# KiCad board mkssbase.kicad_pcb
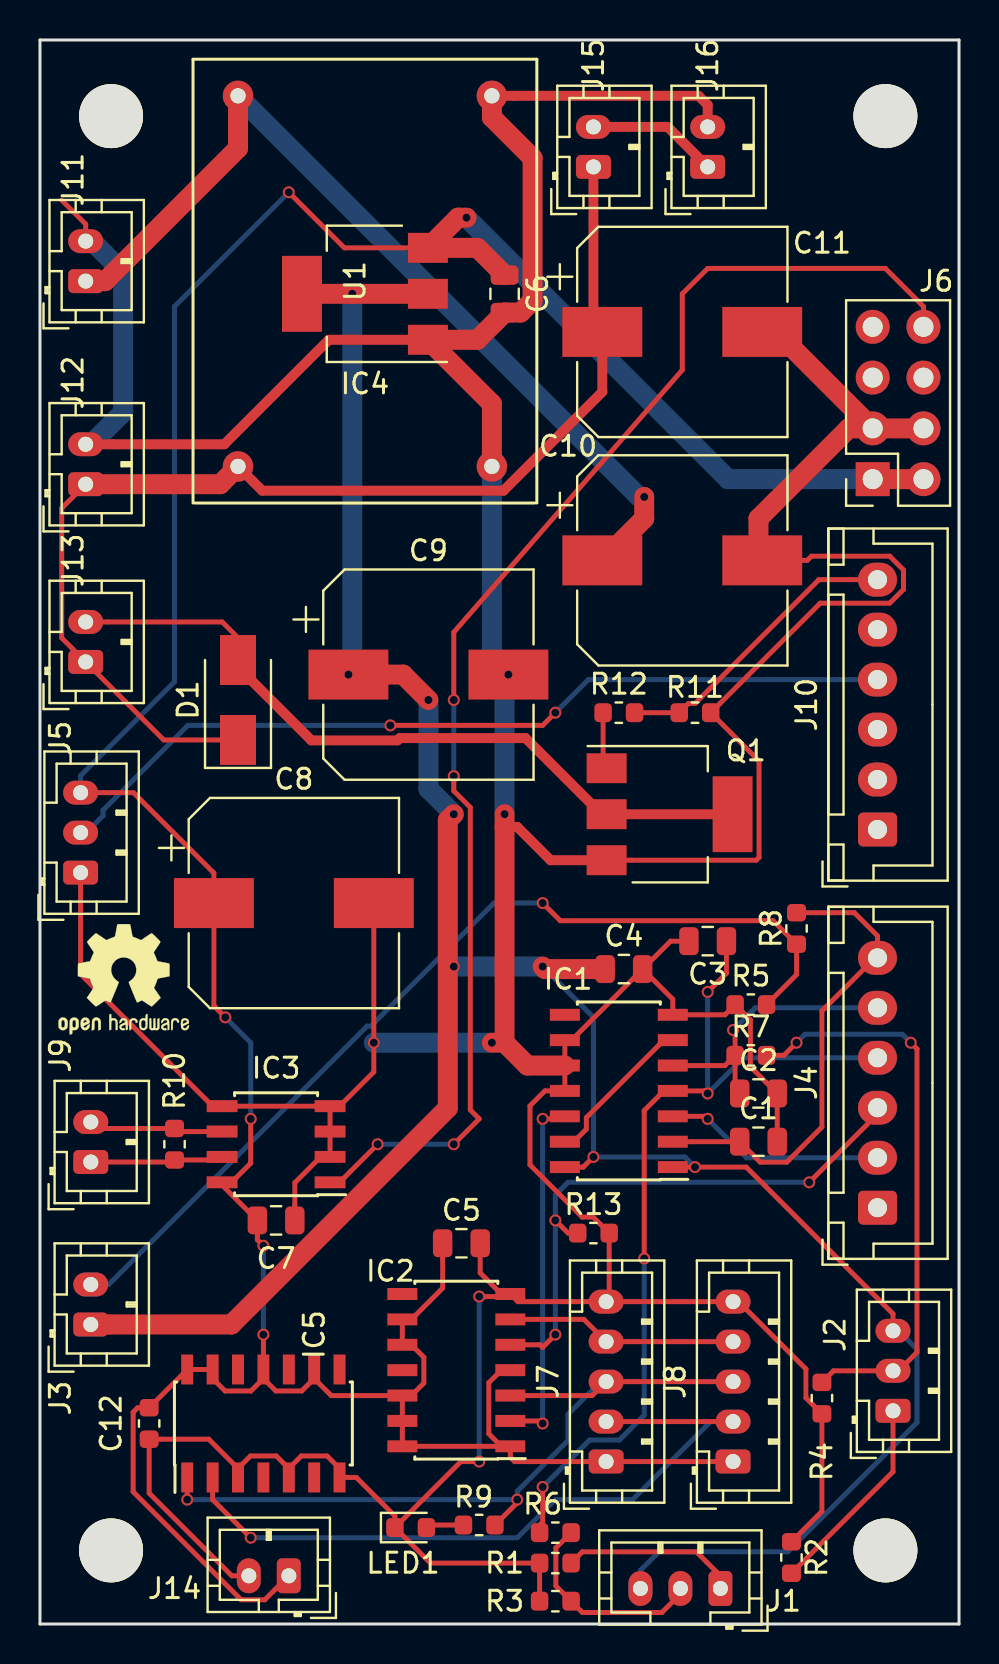
[diagram p0: board, top side]
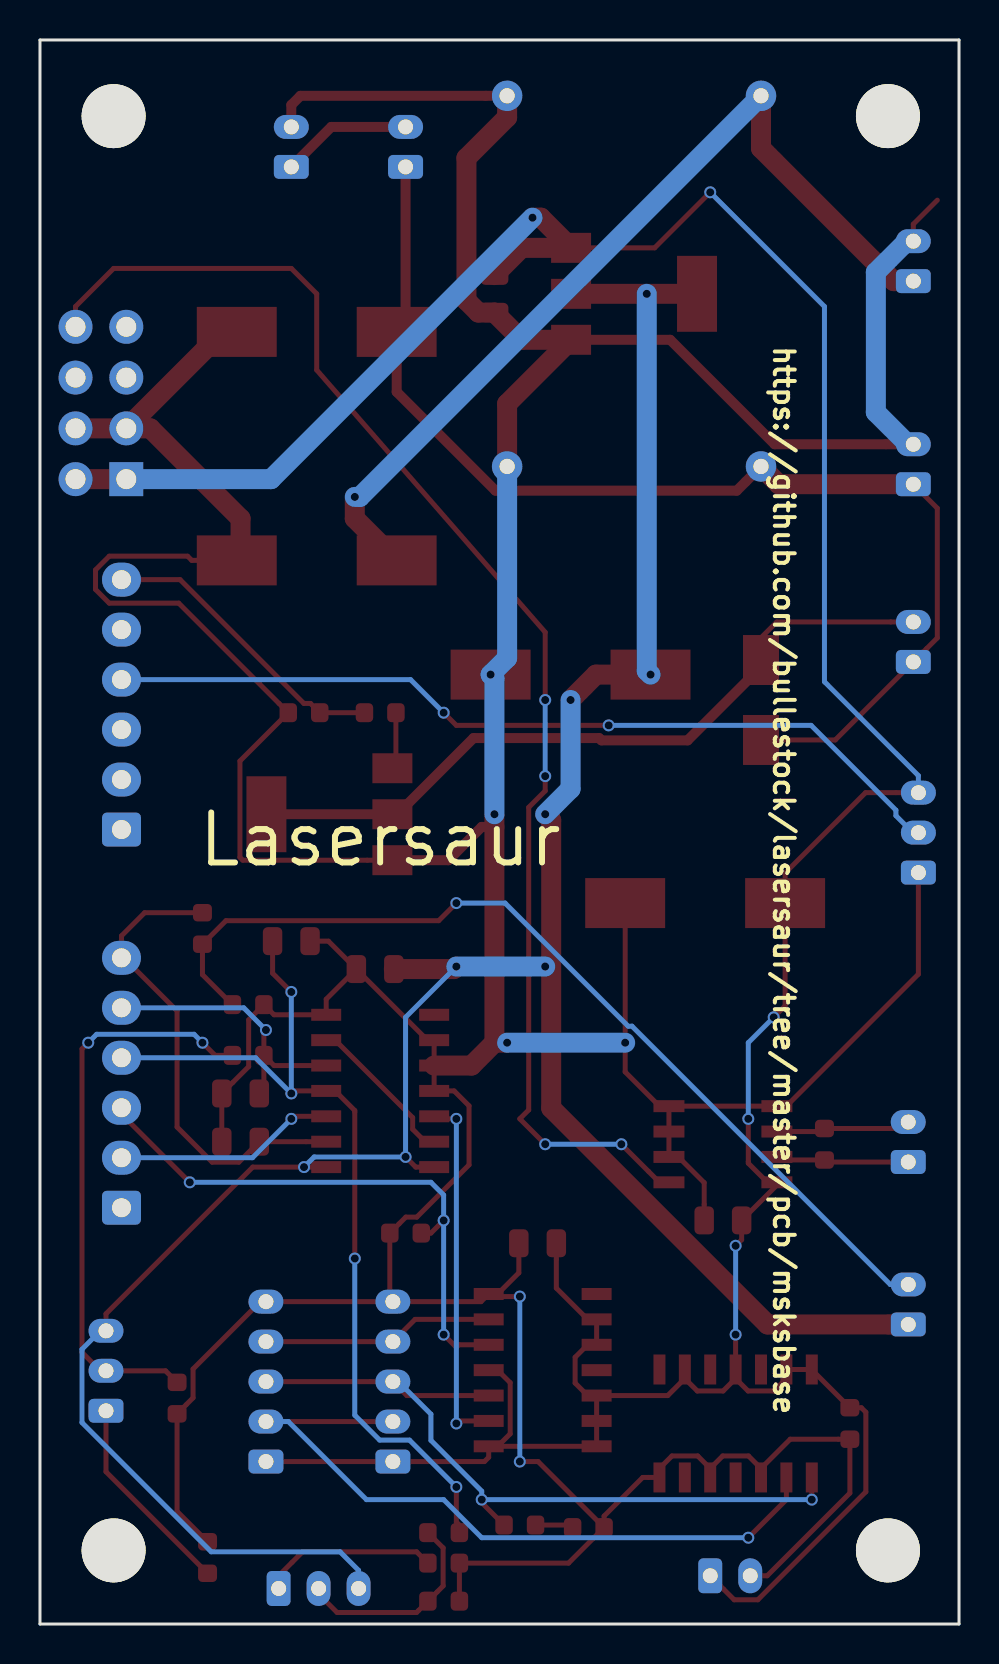
[diagram p1: board, bottom side, seen from below]

Outline 45.97 x 79.25 mm; copper layers: Top, Bottom. Coordinates in mm from the lower left corner of the outline.
Outline path: 0,79.25 0,0 45.97,0 45.97,79.25 0,79.25

## Placement (name value [footprint] x y rotation side)
C1  100n  [C_0805_2012Metric]  35.94 24.13 0 top
C2  100n  [C_0805_2012Metric]  35.94 26.54 0 top
C3  100n  [C_0805_2012Metric]  33.4 34.16 180 top
C4  100n  [C_0805_2012Metric]  29.21 32.77 0 top
C5  100n  [C_0805_2012Metric]  21.08 19.05 0 top
C6  100n  [C_0805_2012Metric]  23.24 66.55 270 top
C7  100n  [C_0805_2012Metric]  11.81 20.19 0 top
C8  100u  [CP_Elec_10x10]  12.7 36.07 0 top
C9  100u  [CP_Elec_10x10]  19.43 47.5 0 top
C10  100u  [CP_Elec_10x10]  32.13 53.21 0 top
C11  100u  [CP_Elec_10x10]  32.13 64.64 0 top
C12  100n  [C_0603_1608Metric]  5.46 10.03 270 top
D1  SS34  [D_SMA]  9.91 46.23 90 top
IC1  74LV11  [SOIC-14_3.9x8.7mm_P1.27mm]  28.96 26.67 180 top
IC2  74HCT08  [SOIC-14_3.9x8.7mm_P1.27mm]  20.83 12.7 180 top
IC3  MAX485E  [SOIC-8_3.9x4.9mm_P1.27mm]  11.81 24 180 top
IC4  AMS1117-3.3  [SOT-223-3_TabPin2]  16.26 66.55 180 top
IC5  74HCT04  [SOIC-14_3.9x8.7mm_P1.27mm]  11.18 10.03 90 top
J1  DOOR1  [JST_PH_B3B-PH-K_1x03_P2.00mm_Vertical]  34.04 1.78 180 top
J2  DOOR2  [JST_PH_B3B-PH-K_1x03_P2.00mm_Vertical]  42.67 10.67 90 top
J3  CHILLER  [JST_PH_B2B-PH-K_1x02_P2.00mm_Vertical]  2.54 14.99 90 top
J4  TO_J8  [JST_XH_B06B-XH-A_1x06_P2.50mm_Vertical]  41.9 20.83 90 top
J5  POWEROFF  [JST_PH_B3B-PH-K_1x03_P2.00mm_Vertical]  2.03 37.59 90 top
J6  Conn_02x04_Odd_Even  [PinSocket_2x04_P2.54mm_Vertical]  41.66 57.28 180 top
J7  LASER_AUX  [JST_PH_B5B-PH-K_1x05_P2.00mm_Vertical]  28.32 8.13 90 top
J8  LASER  [JST_PH_B5B-PH-K_1x05_P2.00mm_Vertical]  34.67 8.13 90 top
J9  CHILLER SERIAL  [JST_PH_B2B-PH-K_1x02_P2.00mm_Vertical]  2.54 23.11 90 top
J10  TO_J7  [JST_XH_B06B-XH-A_1x06_P2.50mm_Vertical]  41.9 39.75 90 top
J11  24V PWR  [JST_PH_B2B-PH-K_1x02_P2.00mm_Vertical]  2.29 67.18 90 top
J12  LED LIGHTING  [JST_PH_B2B-PH-K_1x02_P2.00mm_Vertical]  2.29 57.02 90 top
J13  AIR VALVE  [JST_PH_B2B-PH-K_1x02_P2.00mm_Vertical]  2.29 48.13 90 top
J14  AIMING LASER  [JST_PH_B2B-PH-K_1x02_P2.00mm_Vertical]  12.45 2.41 180 top
J15  CHILLER POWER  [JST_PH_B2B-PH-K_1x02_P2.00mm_Vertical]  27.69 72.9 90 top
J16  CHILLER SSR  [JST_PH_B2B-PH-K_1x02_P2.00mm_Vertical]  33.4 72.9 90 top
LED1  Enable  [LED_0603_1608Metric]  18.54 4.83 0 top
Q1  ZXMN4A06  [SOT-223-3_TabPin2]  31.5 40.51 0 top
R1  100  [R_0603_1608Metric]  25.78 3.05 180 top
R2  100  [R_0603_1608Metric]  37.59 3.33 90 top
R3  1K  [R_0603_1608Metric]  25.78 1.14 180 top
R4  1K  [R_0603_1608Metric]  39.12 11.3 270 top
R5  1K  [R_0603_1608Metric]  35.56 30.99 0 top
R6  5K6  [R_0603_1608Metric]  25.78 4.57 0 top
R7  5K6  [R_0603_1608Metric]  35.56 28.45 0 top
R8  5K6  [R_0603_1608Metric]  37.85 34.8 270 top
R9  1K  [R_0603_1608Metric]  21.97 4.95 180 top
R10  120R  [R_0603_1608Metric]  6.73 24 90 top
R11  10K  [R_0603_1608Metric]  32.77 45.59 0 top
R12  22R  [R_0603_1608Metric]  28.96 45.59 0 top
R13  10K  [R_0603_1608Metric]  27.69 19.56 0 top
REF**  -  [MountingHole_3.2mm_M3]  42.29 3.68 0 top
REF**#2  -  [MountingHole_3.2mm_M3]  3.56 3.68 0 top
REF**#3  -  [MountingHole_3.2mm_M3]  3.56 75.44 0 top
REF**#4  -  [MountingHole_3.2mm_M3]  42.29 75.44 0 top
REF**#5  -  [OSHW-Logo2_7.3x6mm_SilkScreen]  4.19 32.26 0 top
U1  MP1584 module  [MP1584-module]  16.26 67.18 270 top

## Footprints (pads in the part's own frame, mm; a bottom-side part is the same pattern mirrored in y, then rotated)
C_0603_1608Metric
  rrect 0.875x0.95 smd: 1(-0.787,0) 2(0.787,0)
C_0805_2012Metric
  rrect 0.975x1.4 smd: 1(-0.938,0) 2(0.938,0)
CP_Elec_10x10
  rect 4x2.5 smd: 1(-4,0) 2(4,0)
D_SMA
  rect 2.5x1.8 smd: 1(-2,0) 2(2,0)
JST_PH_B2B-PH-K_1x02_P2.00mm_Vertical
  rrect 1.2x1.75 hole 0.75: 1(0,0)
  oval 1.2x1.75 hole 0.75: 2(2,0)
JST_PH_B3B-PH-K_1x03_P2.00mm_Vertical
  rrect 1.2x1.75 hole 0.75: 1(0,0)
  oval 1.2x1.75 hole 0.75: 2(2,0) 3(4,0)
JST_PH_B5B-PH-K_1x05_P2.00mm_Vertical
  rrect 1.2x1.75 hole 0.75: 1(0,0)
  oval 1.2x1.75 hole 0.75: 2(2,0) 3(4,0) 4(6,0) 5(8,0)
JST_XH_B06B-XH-A_1x06_P2.50mm_Vertical
  rrect 1.7x1.95 hole 0.95: 1(0,0)
  oval 1.7x1.95 hole 0.95: 2(2.5,0) 3(5,0) 4(7.5,0) 5(10,0) 6(12.5,0)
LED_0603_1608Metric
  rrect 0.875x0.95 smd: 1(-0.787,0) 2(0.787,0)
MountingHole_3.2mm_M3
  round 3.2 hole 3.2 unplated: (0,0)
MP1584-module
  round 1.524 hole 0.762: IN+(-9.271,-6.35) IN-(-9.271,6.35) OUT+(9.271,-6.35) OUT-(9.271,6.35)
PinSocket_2x04_P2.54mm_Vertical
  rect 1.7x1.7 hole 1: 1(0,0)
  oval 1.7x1.7 hole 1: 2(-2.54,0) 3(0,-2.54) 4(-2.54,-2.54) 5(0,-5.08) 6(-2.54,-5.08) 7(0,-7.62) 8(-2.54,-7.62)
R_0603_1608Metric
  rrect 0.875x0.95 smd: 1(-0.787,0) 2(0.787,0)
SOIC-8_3.9x4.9mm_P1.27mm
  rect 1.55x0.6 smd: 1(-2.7,1.905) 2(-2.7,0.635) 3(-2.7,-0.635) 4(-2.7,-1.905) 5(2.7,-1.905) 6(2.7,-0.635) 7(2.7,0.635) 8(2.7,1.905)
SOIC-14_3.9x8.7mm_P1.27mm
  rect 1.5x0.6 smd: 1(-2.7,3.81) 2(-2.7,2.54) 3(-2.7,1.27) 4(-2.7,0) 5(-2.7,-1.27) 6(-2.7,-2.54) 7(-2.7,-3.81) 8(2.7,-3.81) 9(2.7,-2.54) 10(2.7,-1.27) 11(2.7,0) 12(2.7,1.27) 13(2.7,2.54) 14(2.7,3.81)
SOT-223-3_TabPin2
  rect 2x1.5 smd: 1(-3.15,2.3) 2(-3.15,0) 3(-3.15,-2.3)
  rect 2x3.8 smd: 2(3.15,0)

## Nets
+3V3: C4.1 C9.1 IC1.1 IC1.14 IC4.2 J1.3 J2.3 J3.1
+5V: C5.1 C6.1 C7.1 C8.1 C12.1 IC2.1 IC2.4 IC2.9 IC2.10 IC2.12 IC2.13 IC2.14 IC3.8 IC4.3 IC5.9 IC5.11 IC5.13 IC5.14 J5.3 J6.1 J6.2 J7.1 J8.1 J14.1
GND: C1.2 C2.2 C3.2 C4.2 C5.2 C6.2 C7.2 C8.2 C9.2 C10.2 C11.2 C12.2 IC1.7 IC1.9 IC1.10 IC1.11 IC2.7 IC3.2 IC3.3 IC3.4 IC3.5 IC4.1 IC5.3 IC5.5 IC5.7 J5.1 J6.3 J6.4 J7.5 J8.5 J11.2 J12.2 J14.2 J16.2 LED1.1 Q1.3 R1.2 R2.2 R3.2 R4.2 R5.1 R11.2 R13.2 U1.IN- U1.OUT-
P1.22: IC1.3 J4.2
P1.23: IC2.5 J4.3 R13.1
P2.11: C2.1 IC1.5 J4.5 R7.1
P2.12: C3.1 IC1.4 J4.4 R6.1
P4.28: C1.1 IC1.2 J4.6 R8.1
RX: IC3.1 J6.8
Net-(C10-Pad1): C10.1 J11.1 U1.IN+
Net-(C11-Pad1): C11.1 D1.1 J12.1 J13.1 J15.1 U1.OUT+
Net-(D1-Pad2): D1.2 J13.2 Q1.2
Net-(IC1-Pad8): IC1.8
Net-(IC1-Pad12): IC1.12 IC2.2
Net-(IC1-Pad13): IC1.6 IC1.13
Net-(IC2-Pad3): IC2.3 IC5.1 J7.3 J8.3 R9.1
Net-(IC2-Pad6): IC2.6 J7.4 J8.4
Net-(IC2-Pad8): IC2.8
Net-(IC2-Pad11): IC2.11
Net-(IC3-Pad6): IC3.6 J9.2 R10.2
Net-(IC3-Pad7): IC3.7 J9.1 R10.1
Net-(IC5-Pad2): IC5.2 J7.2 J8.2
Net-(IC5-Pad4): IC5.4
Net-(IC5-Pad6): IC5.6
Net-(IC5-Pad8): IC5.8
Net-(IC5-Pad10): IC5.10
Net-(IC5-Pad12): IC5.12
Net-(J1-Pad1): J1.1 R1.1
Net-(J1-Pad2): J1.2 R3.1 R6.2
Net-(J2-Pad1): J2.1 R2.1
Net-(J2-Pad2): J2.2 R4.1 R7.2
Net-(J3-Pad2): J3.2 R5.2 R8.2
Net-(J4-Pad1): J4.1
Net-(J6-Pad5): J6.5
Net-(J6-Pad6): J6.6
Net-(J6-Pad7): J6.7
Net-(J10-Pad1): J10.1
Net-(J10-Pad2): J10.2
Net-(J10-Pad3): J10.3
Net-(J10-Pad4): J5.2 J10.4
Net-(J10-Pad5): J10.5
Net-(J10-Pad6): J10.6 R11.1 R12.2
Net-(J15-Pad2): J15.2 J16.1
Net-(LED1-Pad2): LED1.2 R9.2
Net-(Q1-Pad1): Q1.1 R12.1

## Via types
v1: diameter 0.6, hole 0.4, Top to Bottom, 44 vias

## Routing (per net, layer and track width the routed paths; a pad name or vN(x,y) marks a point on that pad's centre or on a via; arc(x,y) is an arc through that point)
+3V3: length 135.8
  Top w0.25: v1(27.69,23.37) 27.18,22.86 IC1.14 ; IC1.1 35.33,22.86 42.67,15.52 J2.3
  Top w1: v1(15.43,47.5) 18.16,47.5 v1(19.43,46.23) ; J3.1 9.58,14.99 20.4,25.81 20.4,40.21 v1(20.7,40.51) ; C4.1 25.27,32.77 v1(25.15,32.89) ; IC4.2 v1(15.62,66.55) IC4.2
  Bottom w0.25: 30.04,2.41 30.04,2.69 30.96,3.61 37.41,3.61 43.87,10.08 43.87,13.74 42.95,14.67 J2.3 ; v1(32.77,22.86) 32.26,23.37 v1(27.69,23.37) 27.69,30.35 v1(25.15,32.89)
  Bottom w1: v1(15.62,66.55) 15.62,47.69 v1(15.43,47.5) ; v1(20.7,40.51) 19.43,41.78 v1(19.43,46.23) ; v1(25.15,32.89) v1(20.7,32.89)
+5V: length 180
  Top w0.25: 13.72,12.28 13.09,11.66 11.8,11.66 11.18,12.28 ; 13.72,12.28 14.57,11.43 IC2.12 ; 13.72,12.28 13.72,12.73 ; J14.1 11.25,1.21 10.06,1.21 4.66,6.61 4.66,10.6 4.89,10.82 C12.1 7.37,12.73 7.37,12.73 8.64,12.73 8.64,12.28 9.26,11.66 10.55,11.66 11.18,12.28 ; IC2.1 23.53,8.34 23.74,8.13 J7.1 J8.1 ; IC2.1 23.08,8.89 22.45,9.52 22.45,12.07 23.08,12.7 IC2.4 ; IC2.1 IC2.14 IC2.13 IC2.12 ; v1(11.18,18.92) 10.87,19.23 C7.1 9.11,21.96 IC3.8 9.59,22.1 10.54,23.05 v1(10.54,25.27) ; 11.18,12.28 v1(11.18,14.48) ; v1(9.27,30.35) 8.7,30.92 C8.1 8.7,37.57 4.68,41.59 J5.3 ; C5.1 20.14,16.81 18.58,15.24 IC2.9 IC2.10 18.58,13.97 19.2,13.34 19.2,12.06 18.58,11.43 IC2.12 ; v1(12.45,71.63) 15.23,68.85 IC4.3
  Top w1: C6.1 21.88,68.85 IC4.3 20.92,70.36 v1(21.34,70.36) ; J6.1 J6.2
  Bottom w0.25: v1(9.27,30.35) 10.54,29.08 v1(10.54,25.27) ; v1(12.45,71.63) 6.73,65.91 6.73,47.14 2.03,42.44 J5.3 ; v1(11.18,18.92) v1(11.18,14.48)
  Bottom w1: J6.1 34.42,57.28 v1(21.34,70.36)
GND: length 330.3
  Top w0.25: 12.45,7.78 13.07,8.41 14.36,8.41 14.99,7.78 IC5.7 15.82,7.33 17.75,5.4 LED1.1 ; 12.45,7.78 11.82,8.41 10.53,8.41 9.91,7.78 ; 12.45,7.78 IC5.5 ; C3.2 31.54,34.16 C4.2 ; J14.2 9.6,2.41 5.46,6.55 C12.2 8.44,9.25 9.91,7.78 ; J5.1 2.03,32.51 8.64,25.91 IC3.5 14.51,25.91 ; J11.2 2.29,70.03 1.09,71.23 ; C4.2 26.59,29.21 IC1.9 IC1.10 IC1.11 25.26,26.67 24.51,25.92 24.51,22.97 27.12,20.36 27.67,20.36 R13.2 28.47,16.28 J7.5 ; C4.2 31.66,31.26 IC1.7 34.26,30.48 R5.1 35.54,30.23 35.54,27.89 C2.2 C1.2 ; C5.2 22.02,17.57 23.08,16.51 IC2.7 23.91,16.13 J7.5 ; IC5.3 9.91,7.78 ; Q1.3 35.83,38.21 35.97,38.35 35.97,43.18 R11.2 39.03,51.07 42.51,51.07 43.2,51.76 43.2,52.73 42.51,53.42 38.59,53.42 38.38,53.21 C10.2 ; v1(21.97,8.13) 21.06,8.13 LED1.1 ; LED1.1 19.53,3.05 R1.2 R3.2 ; 14.51,25.91 14.51,23.37 14.04,23.37 12.75,22.08 C7.2 ; 14.51,25.91 14.99,25.91 16.7,27.62 v1(16.7,29.08) C8.2 ; J7.5 J8.5 34.95,16.13 38.32,12.76 38.32,11.32 R4.2 39.12,5.64 R2.2 ; v1(21.97,16.38) 23.88,16.38
  Top w0.5: 23.24,39.88 23.88,39.88 25.54,38.21 Q1.3 ; U1.IN- 32.94,76.45 33.4,76 J16.2 ; J12.2 9.22,59.02 14.45,64.25 IC4.1
  Top w1: J6.3 J6.4 ; J6.3 40.45,59.82 35.94,55.3 35.94,53.4 C10.2 ; J6.3 36.83,64.64 C11.2 ; IC1.10 24.38,27.94 23.24,29.08 ; 23.24,29.08 v1(22.61,29.08) ; 23.24,29.08 v1(23.24,40.51) ; U1.OUT- 22.61,61.05 IC4.1 21.88,64.25 C6.2 24.04,65.61 24.64,66.21 24.64,73.34 22.61,75.38 U1.IN-
  Bottom w0.25: v1(21.97,8.13) v1(21.97,16.38)
  Bottom w1: v1(22.61,29.08) v1(16.7,29.08) ; v1(23.24,40.51) 23.24,47.31 v1(23.43,47.5) 22.61,48.32 U1.OUT- ; J12.2 2.56,59.02 4.16,60.62 4.16,67.63 2.6,69.18 J11.2
P1.22: length 11.1
  Top w0.25: IC1.3 33.27,25.4 v1(33.4,25.27)
  Bottom w0.25: v1(33.4,25.27) 35.35,23.33 J4.2
P1.23: length 29
  Top w0.25: v1(38.48,22.1) 41.9,25.51 J4.3 ; v1(25.78,20.19) 26.42,19.56 R13.1 ; IC2.5 25.02,13.97 25.15,13.84 v1(25.78,14.48)
  Bottom w0.25: v1(38.48,22.1) 26.42,22.1 25.78,21.46 v1(25.78,20.19) v1(25.78,14.48)
P2.11: length 14.3
  Top w0.25: C2.1 34.77,26.77 R7.1 ; R7.1 34.26,27.94 IC1.5 ; R7.1 34.77,29.62 v1(34.67,29.72)
  Bottom w0.25: v1(34.67,29.72) 35.78,30.83 J4.5
P2.12: length 44.7
  Top w0.25: 24.99,4.95 25.15,5.11 v1(25.15,6.86) ; v1(33.4,31.62) 34.34,32.56 C3.1 ; v1(30.23,18.29) 30.23,25.69 31.21,26.67 IC1.4 33.27,26.67 v1(33.4,26.54)
  Bottom w0.25: v1(33.4,31.62) v1(33.4,26.54) 35.19,28.33 J4.4 ; v1(30.23,18.29) 30.23,10.45 28.98,9.2 27.49,9.2 v1(25.15,6.86)
P4.28: length 23.9
  Top w0.25: R8.1 40.74,35.59 41.9,34.43 J4.6 41.77,33.33 39.12,30.67 39.12,24.86 37.36,23.1 36.03,23.1 C1.1 IC1.2
RX: length 69.3
  Top w0.25: 14.51,22.1 14.99,22.1 v1(16.89,24) ; v1(20.7,24) 21.97,25.27 21.53,25.72 21.53,40.85 20.7,41.68 v1(20.7,42.42) ; J6.8 44.2,65.91 42.29,67.82 33.4,67.82 32.13,66.55 32.13,62.74 20.7,49.62 v1(20.7,46.23)
  Bottom w0.25: v1(16.89,24) v1(20.7,24) ; v1(20.7,46.23) v1(20.7,42.42)
Net-(C10-Pad1): length 45.7
  Top w1: J11.1 3.26,67.18 9.91,73.83 U1.IN+ ; v1(30.23,56.39) 30.23,55.31 C10.1
  Bottom w1: U1.IN+ 29.97,56.39 v1(30.23,56.39)
Net-(C11-Pad1): length 59.3
  Top w0.25: D1.1 6.19,44.23 J13.1 1.09,49.33 1.09,55.82 J12.1
  Top w0.5: U1.OUT+ 11.12,56.7 23.19,56.7 28.13,61.64 C11.1 27.69,65.09 J15.1
  Top w1: U1.OUT+ 9.02,57.02 J12.1
Net-(D1-Pad2): length 37.3
  Top w0.25: D1.2 9.91,49.34 9.11,50.13 J13.2
  Top w0.5: D1.2 9.91,47.88 13.58,44.21 17.89,44.21 18,44.32 24.29,44.32 28.1,40.51 Q1.2 Q1.2
Net-(IC1-Pad12): length 18.1
  Top w0.25: IC1.12 26.13,25.27 v1(25.15,25.27) ; v1(25.15,10.03) 25.02,10.16 IC2.2
  Bottom w0.25: v1(25.15,10.03) v1(25.15,25.27)
Net-(IC1-Pad13): length 7.8
  Top w0.25: IC1.13 26.71,24.13 27.33,24.76 27.33,25.34 31.21,29.21 IC1.6
Net-(IC2-Pad3): length 38.7
  Top w0.25: v1(23.88,6.22) 23.88,6.07 R9.1 ; J8.3 J7.3 27.62,11.43 IC2.3 ; v1(7.37,6.22) IC5.1
  Bottom w0.25: v1(7.37,6.22) v1(23.88,6.22) 23.88,6.65 26.42,9.19 26.42,10.5 28.05,12.13 J7.3
Net-(IC2-Pad6): length 11.6
  Top w0.25: IC2.6 27.21,15.24 J7.4 J8.4
Net-(IC3-Pad6): length 6.8
  Top w0.25: J9.2 2.86,24.79 R10.2 6.88,24.64 IC3.6
Net-(IC3-Pad7): length 6.7
  Top w0.25: J9.1 6.63,23.11 R10.1 8.96,23.22 IC3.7
Net-(IC5-Pad2): length 36.7
  Top w0.25: IC5.2 8.64,6.22 v1(10.54,4.32) ; J8.2 J7.2
  Bottom w0.25: J8.2 33.55,10.13 29.64,6.22 25.78,6.22 23.88,4.32 v1(10.54,4.32)
Net-(J1-Pad1): length 8.2
  Top w0.25: R1.1 27.13,3.61 32.84,3.61 34.04,2.41
Net-(J1-Pad2): length 10.7
  Top w0.25: 32.04,2.41 32.04,2.14 ; J1.2 32.04,1.5 31.11,0.58 27.13,0.58 R3.1 25.81,1.91 25.81,3.81 R6.2
Net-(J2-Pad1): length 10.2
  Top w0.25: J2.1 42.67,7.62 R2.1
Net-(J2-Pad2): length 28.8
  Top w0.25: R4.1 39.69,12.67 J2.2 42.95,12.67 43.87,13.59 43.87,28.77 v1(43.56,29.08) ; R7.2 37.21,28.45 v1(37.85,29.08)
  Bottom w0.25: v1(37.85,29.08) 38.27,29.5 43.14,29.5 v1(43.56,29.08)
Net-(J3-Pad2): length 47.7
  Top w0.25: R5.2 37.85,32.49 R8.2 36.67,35.19 26.03,35.19 v1(25.15,36.07)
  Bottom w0.25: v1(25.15,36.07) 22.71,36.07 16.55,29.91 16.36,29.91 3.44,16.99 J3.2
Net-(J10-Pad4): length 43.2
  Top w0.25: v1(25.78,45.59) 25.15,44.96 v1(17.53,44.96)
  Bottom w0.25: J10.4 27.44,47.25 v1(25.78,45.59) ; v1(17.53,44.96) 7.4,44.96 3.16,40.72 3.16,40.44 2.31,39.59 J5.2
Net-(J10-Pad6): length 14.9
  Top w0.25: J10.6 38.96,52.25 32.77,46.05 32.44,46.05 R11.1 R12.2
Net-(J15-Pad2): length 6.5
  Top w0.5: J16.1 31.4,74.9 J15.2
Net-(LED1-Pad2): length 1.9
  Top w0.25: LED1.2 19.46,4.95 R9.2
Net-(Q1-Pad1): length 2.9
  Top w0.25: R12.1 28.17,42.99 Q1.1

## Text on the board
B.SilkS: https://github.com/bullestock/lasersaur/tree/master/pcb/msksbase | Lasersaur
